# Altium PCB FMC_DAC_125M_14B_16CHA.PcbDoc (part 1 of 9) (continued)
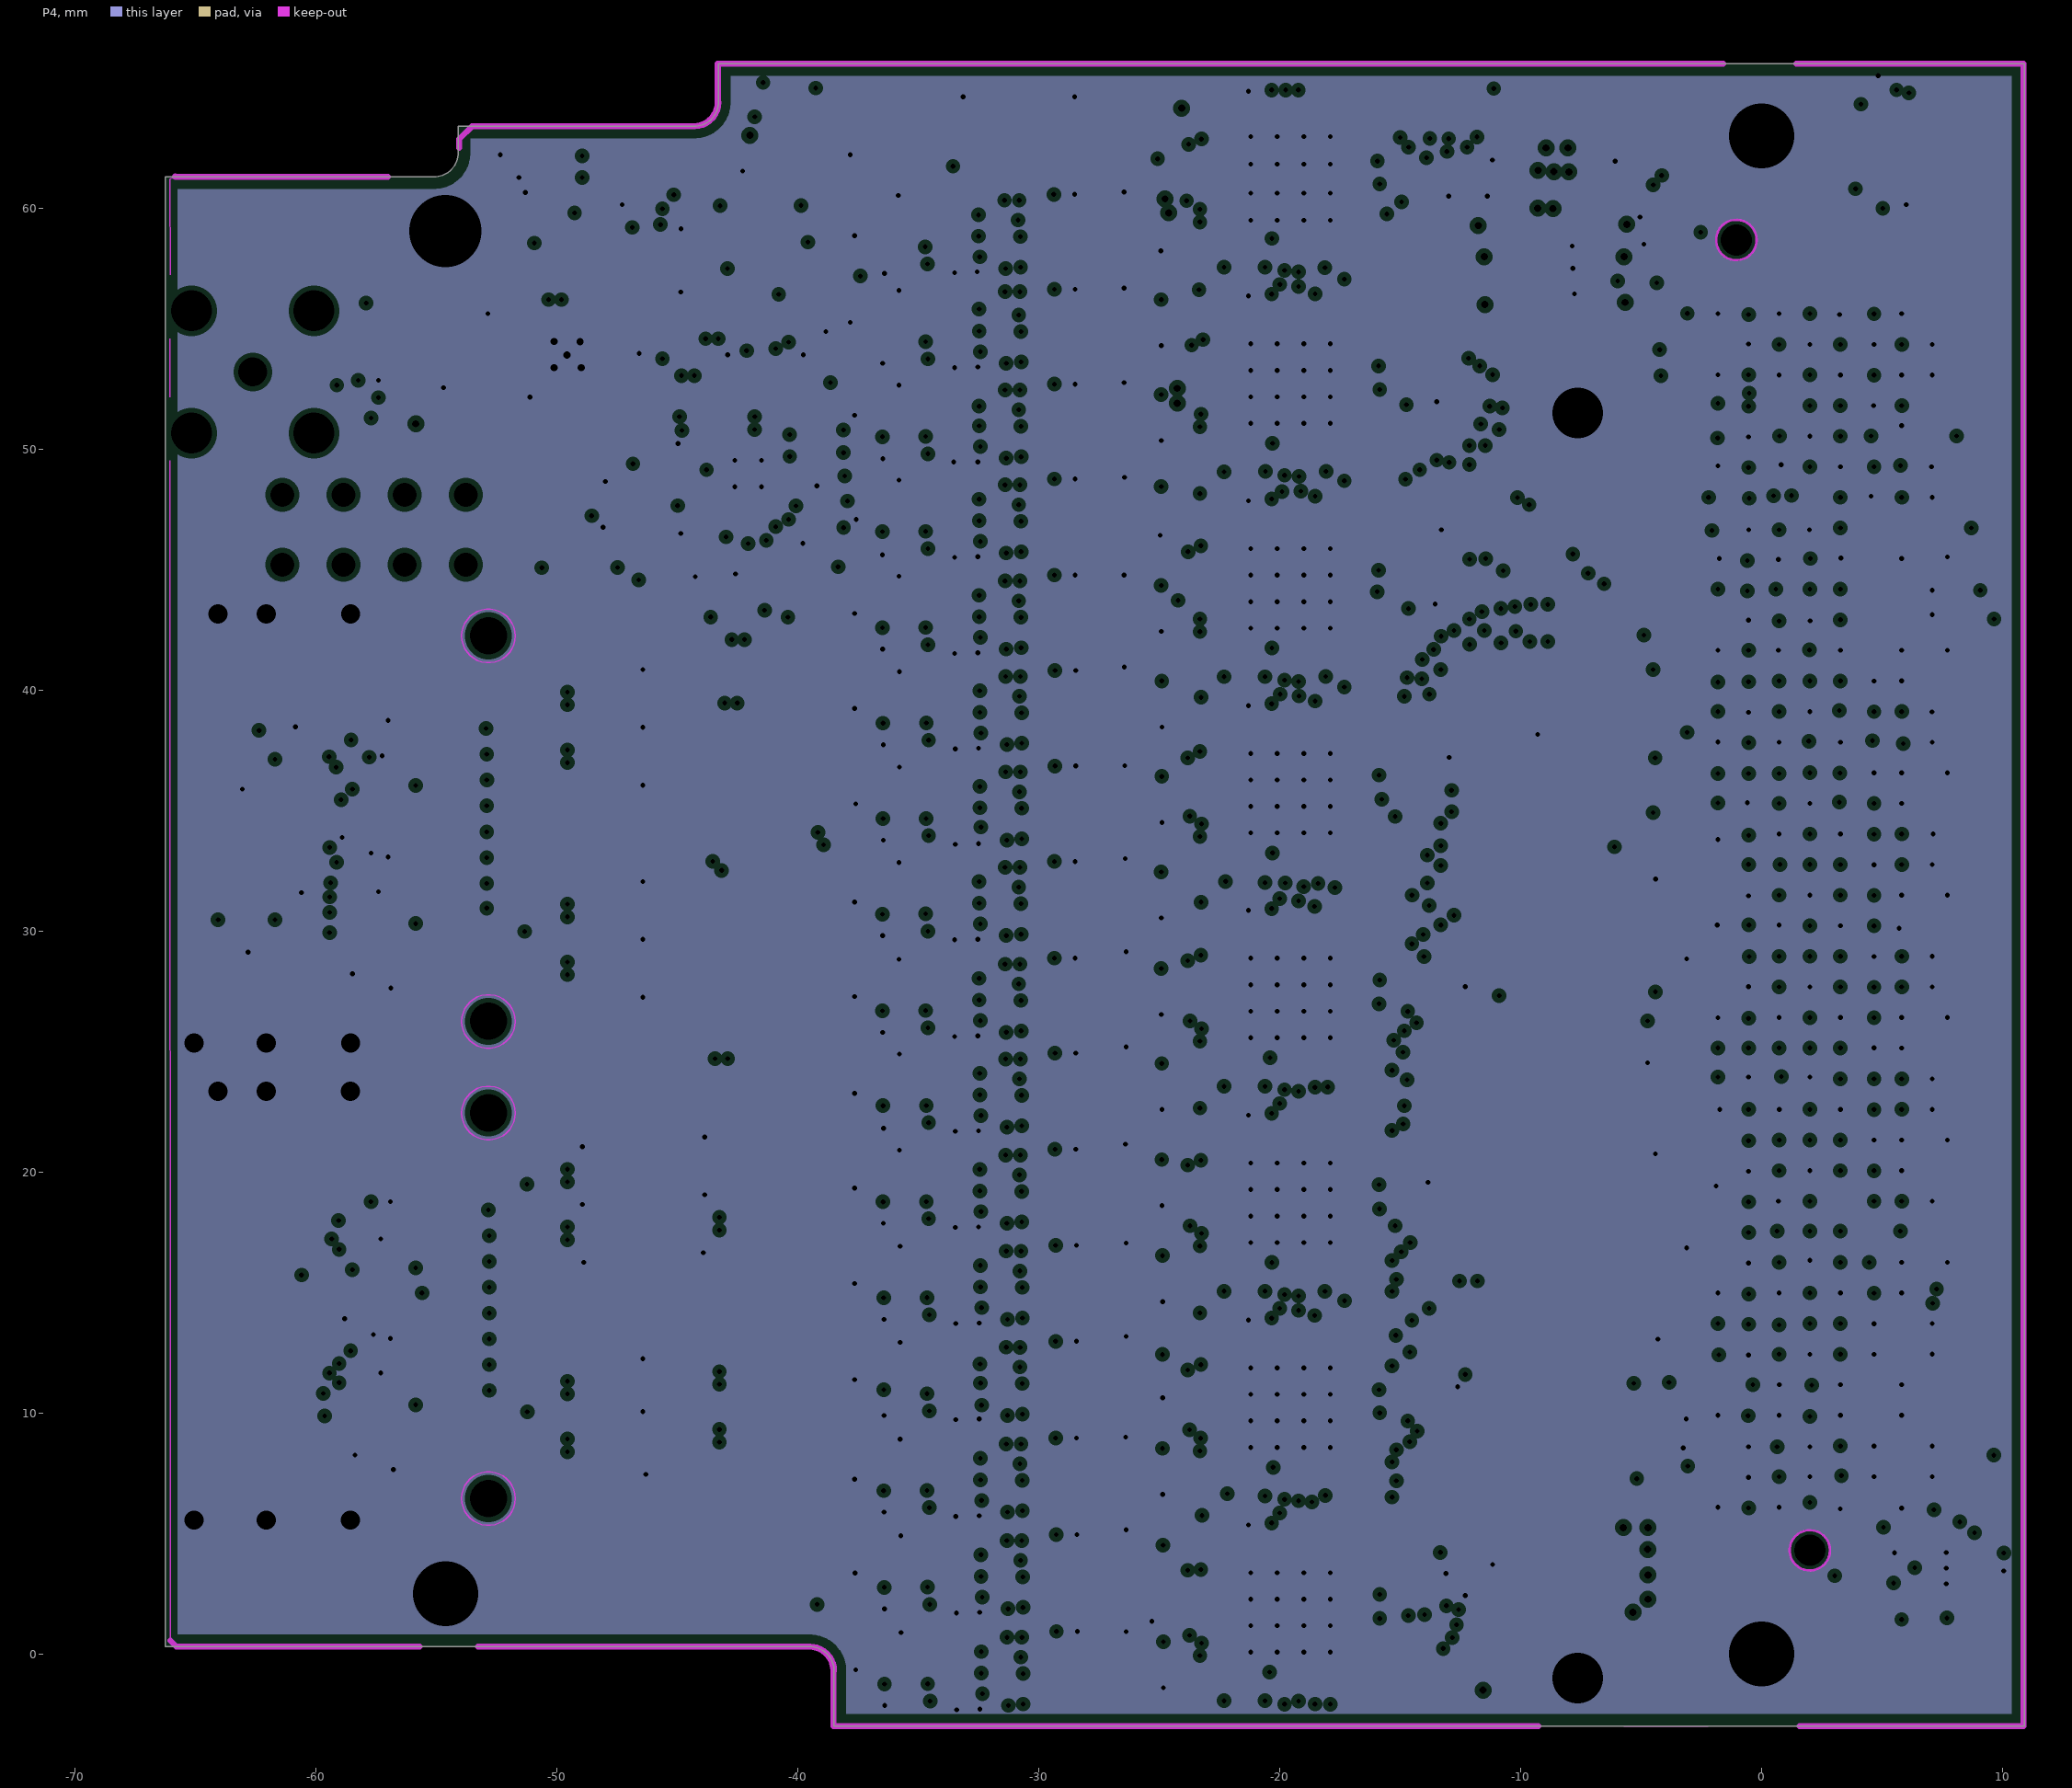
[diagram p4: P4, clearances drawn from the general rule]
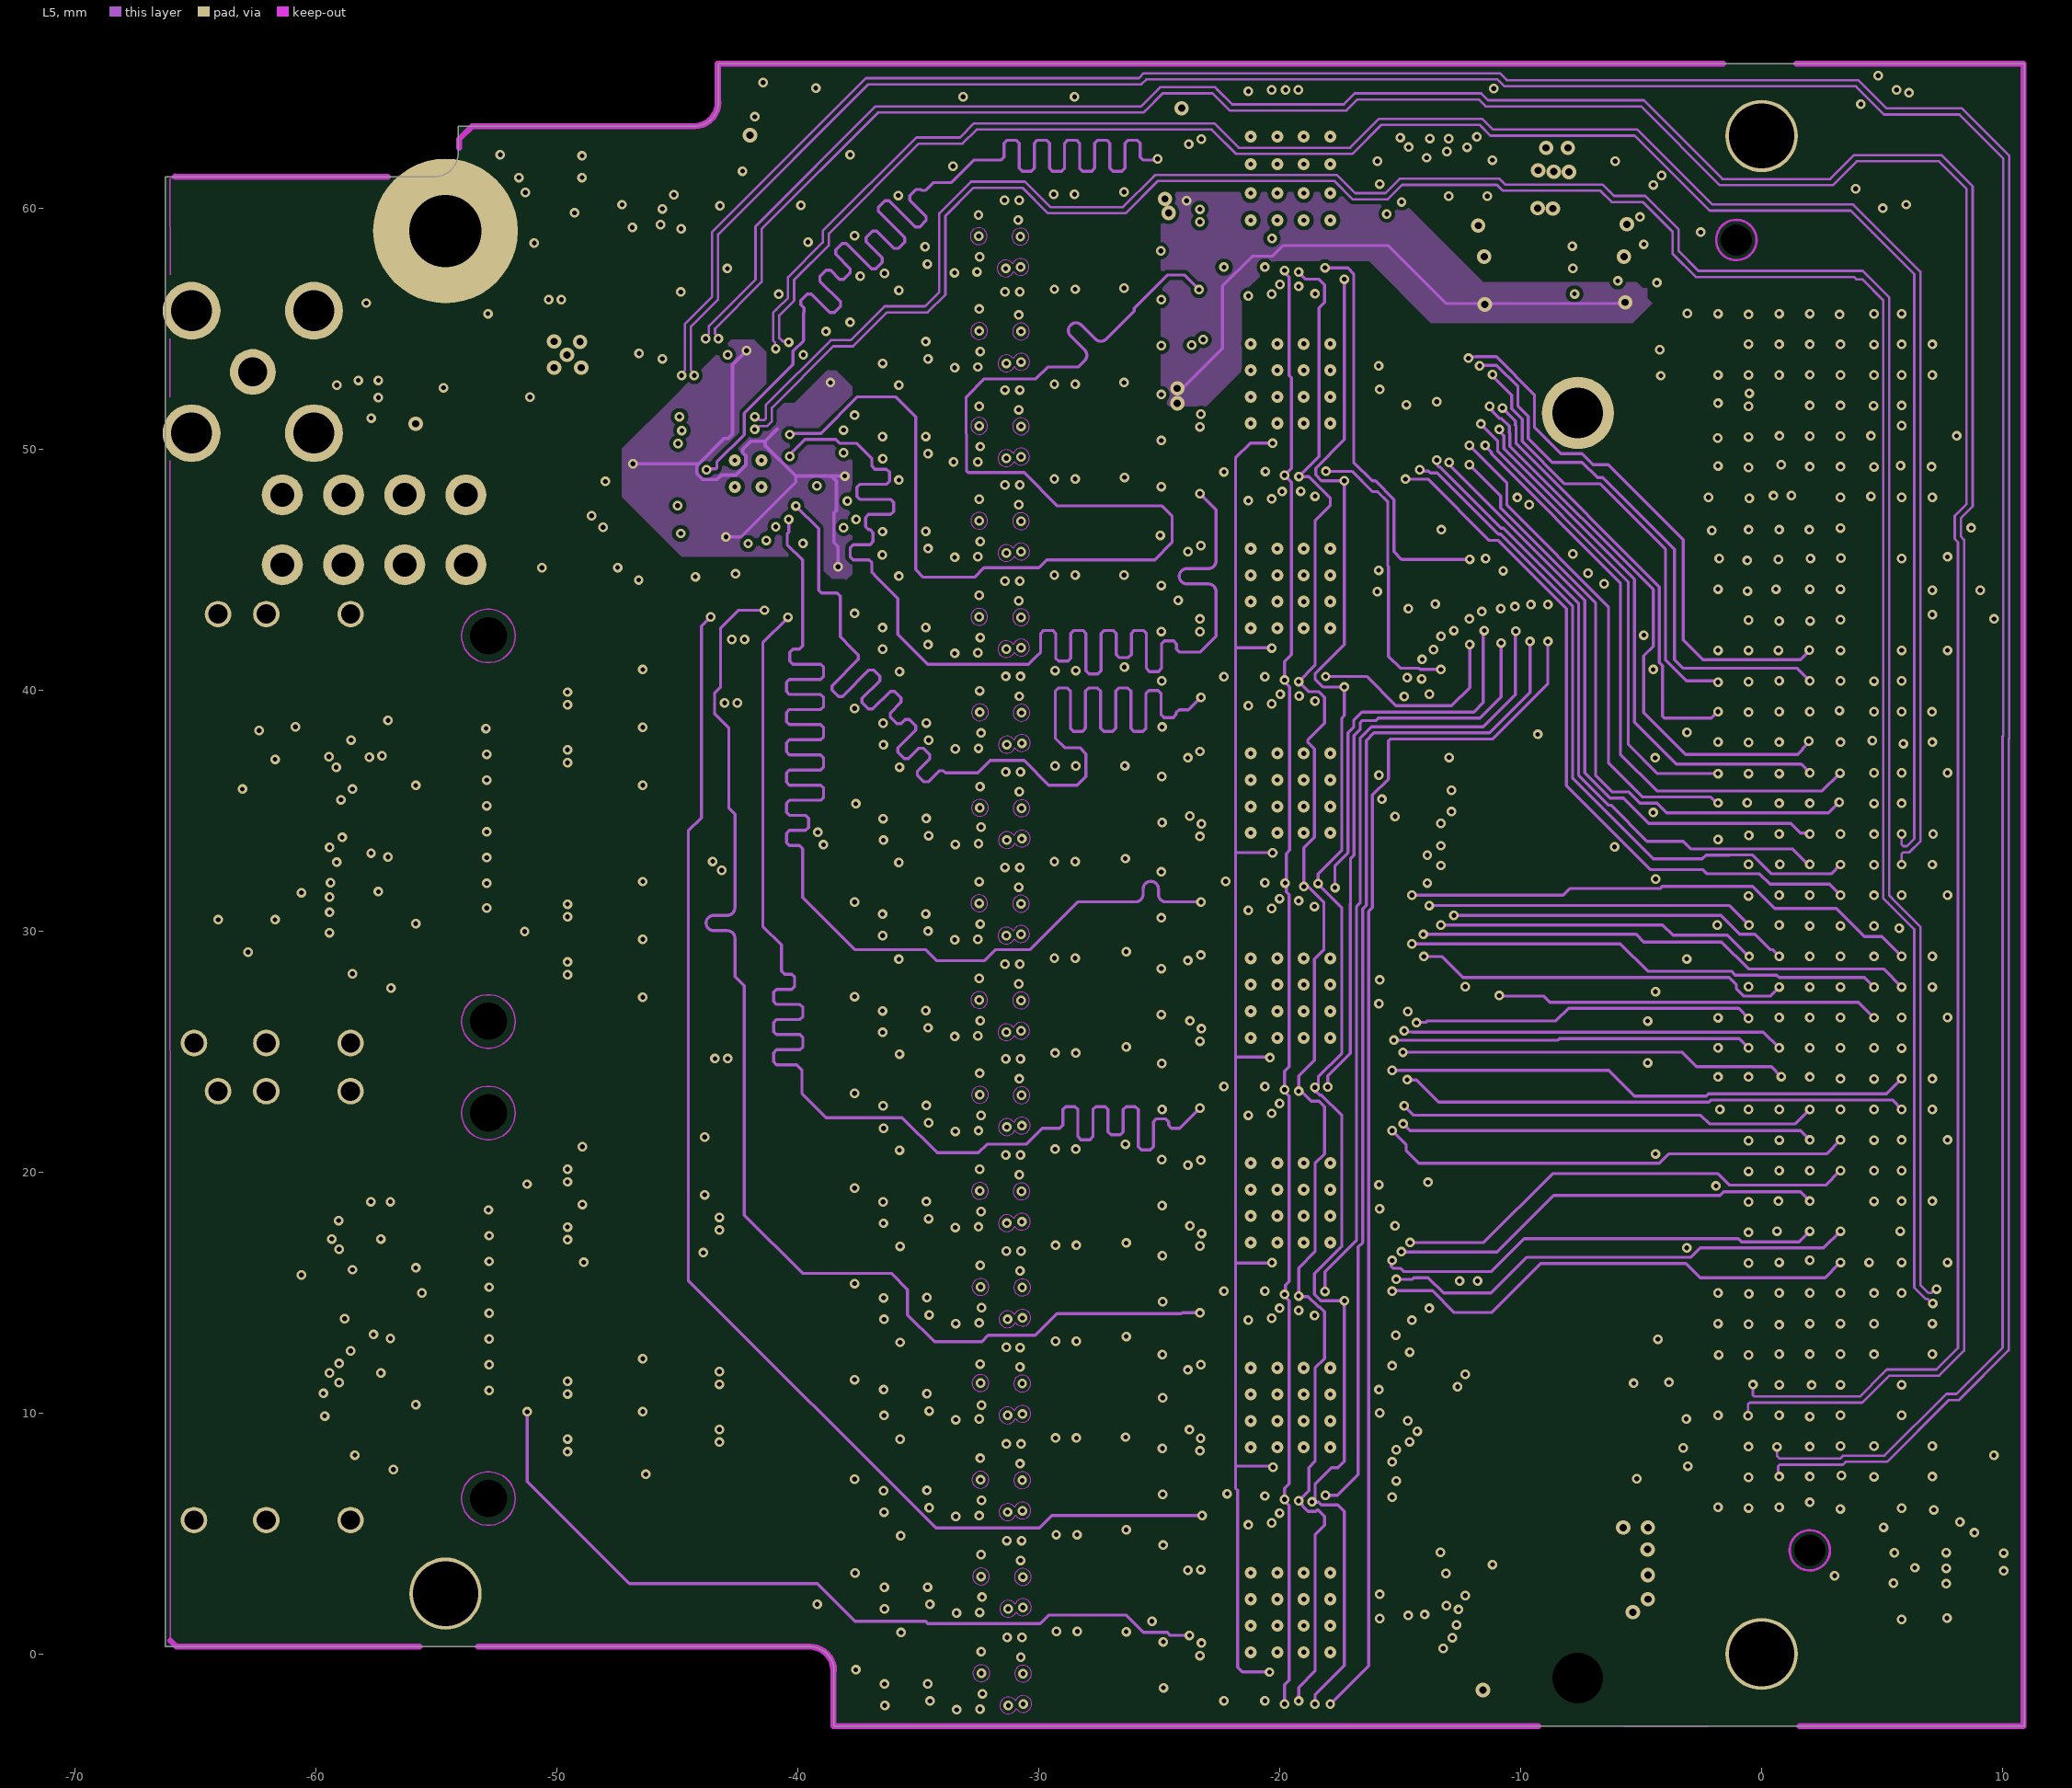
[diagram p5: L5]
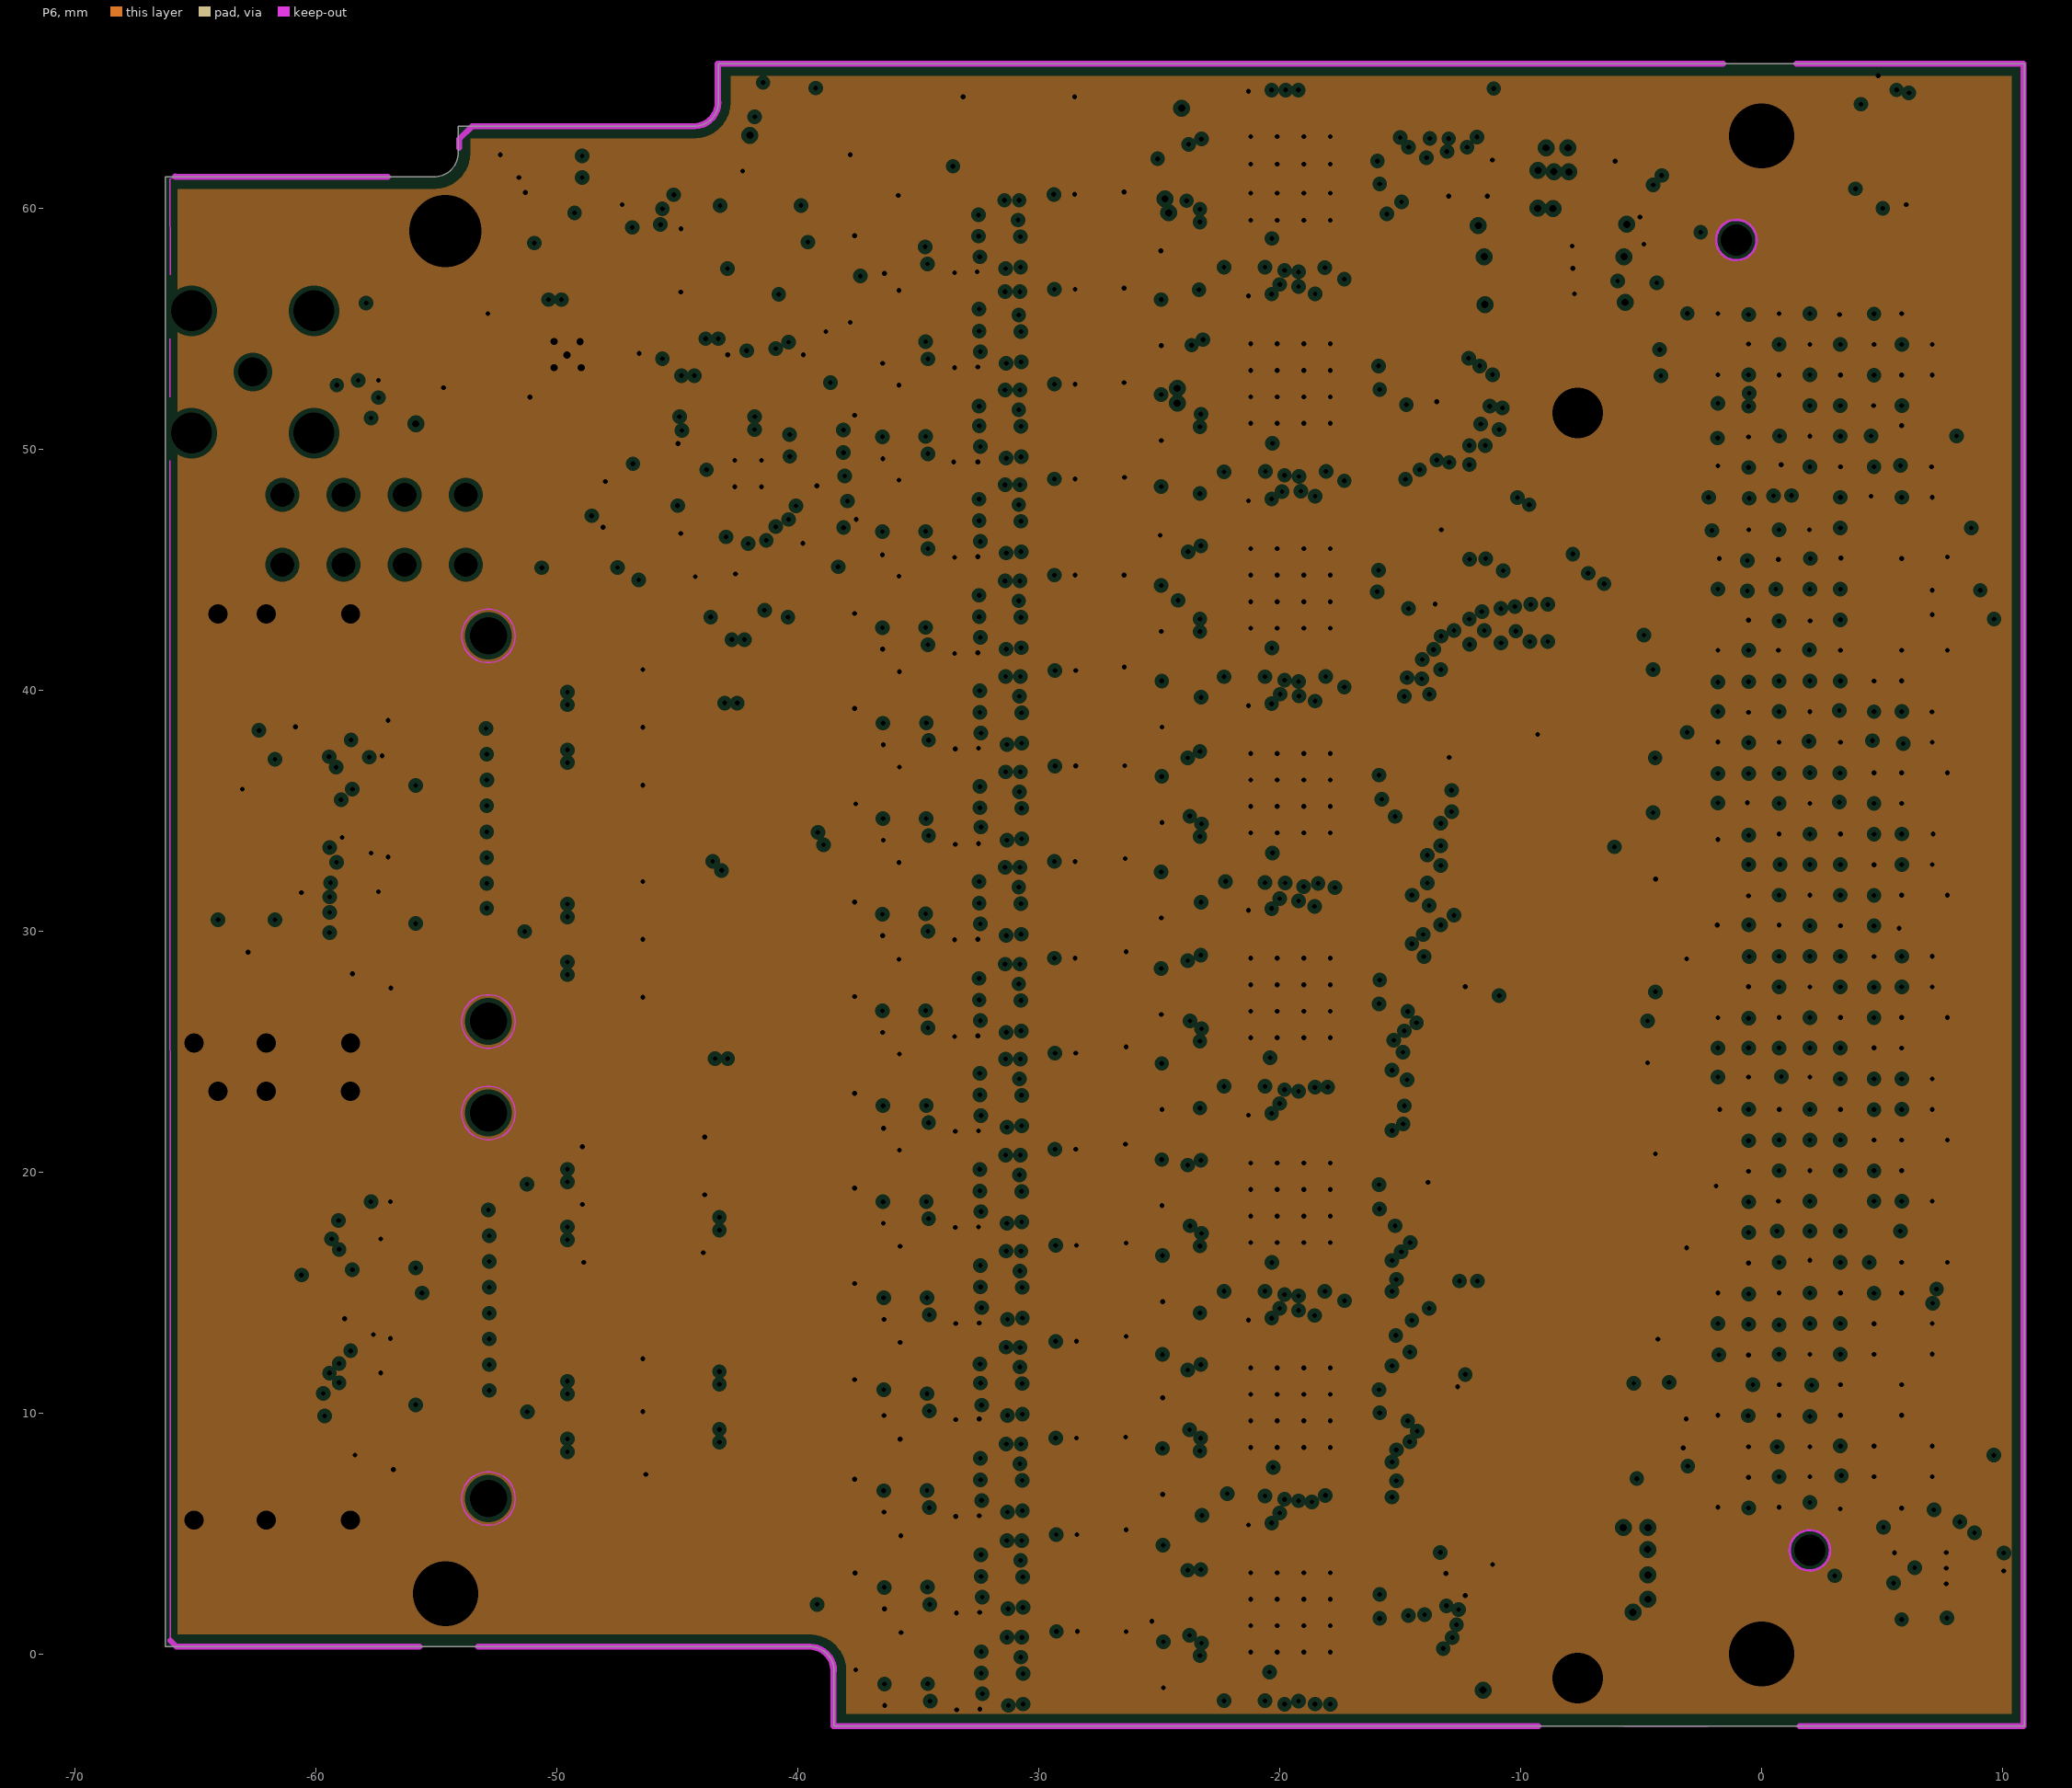
[diagram p6: P6, clearances drawn from the general rule]